# KiCad board DIP8breakout+potToUSB.kicad_pcb
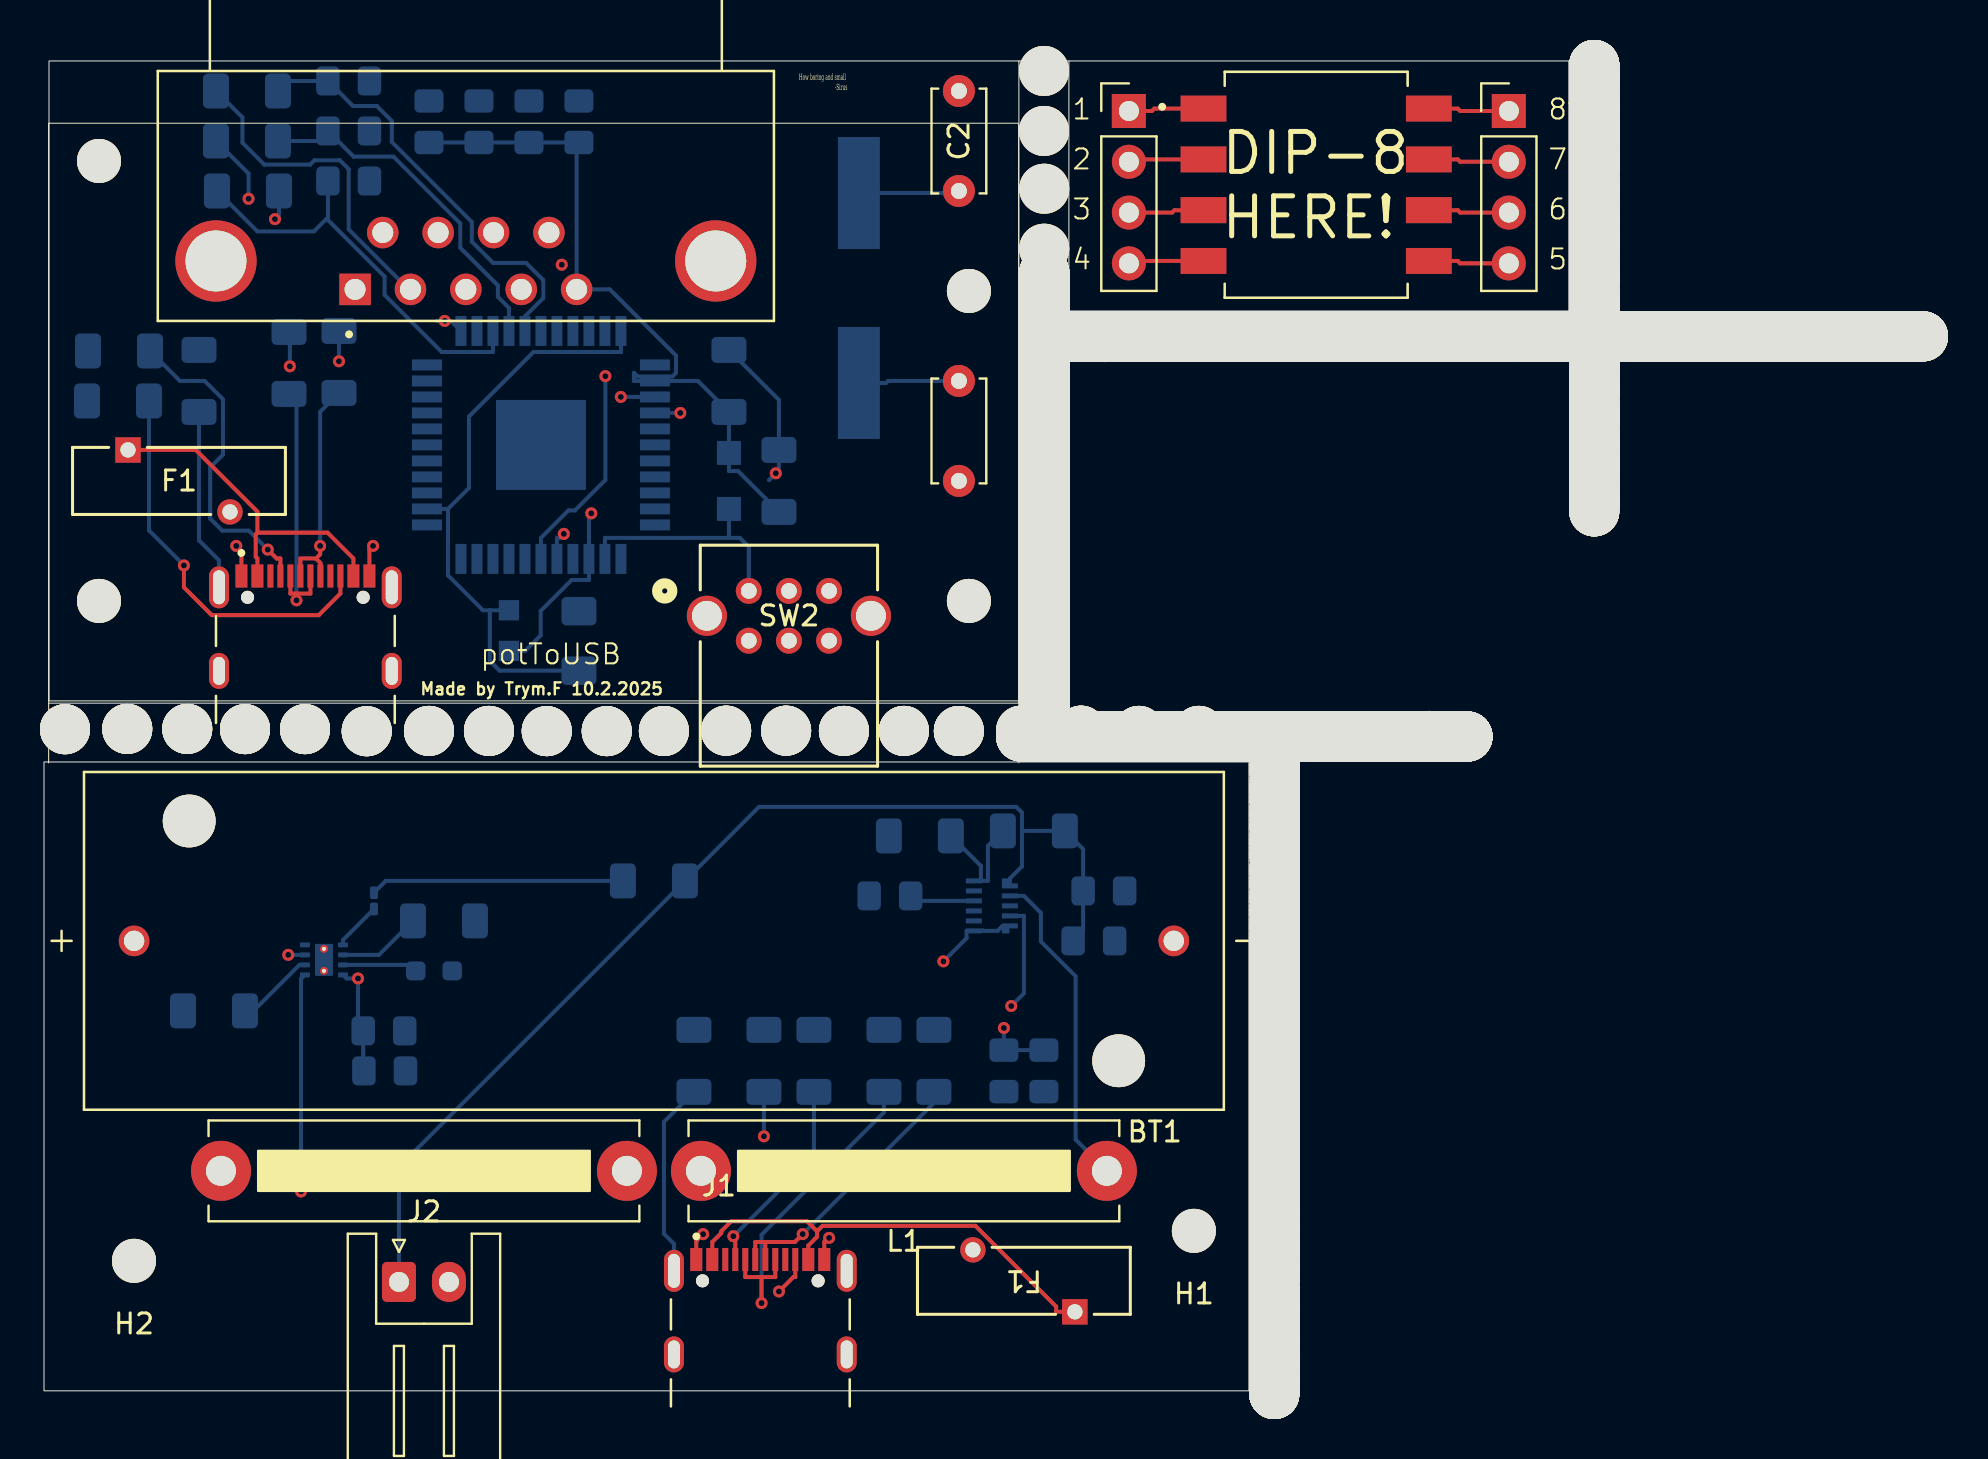
[diagram p0: board, top side]
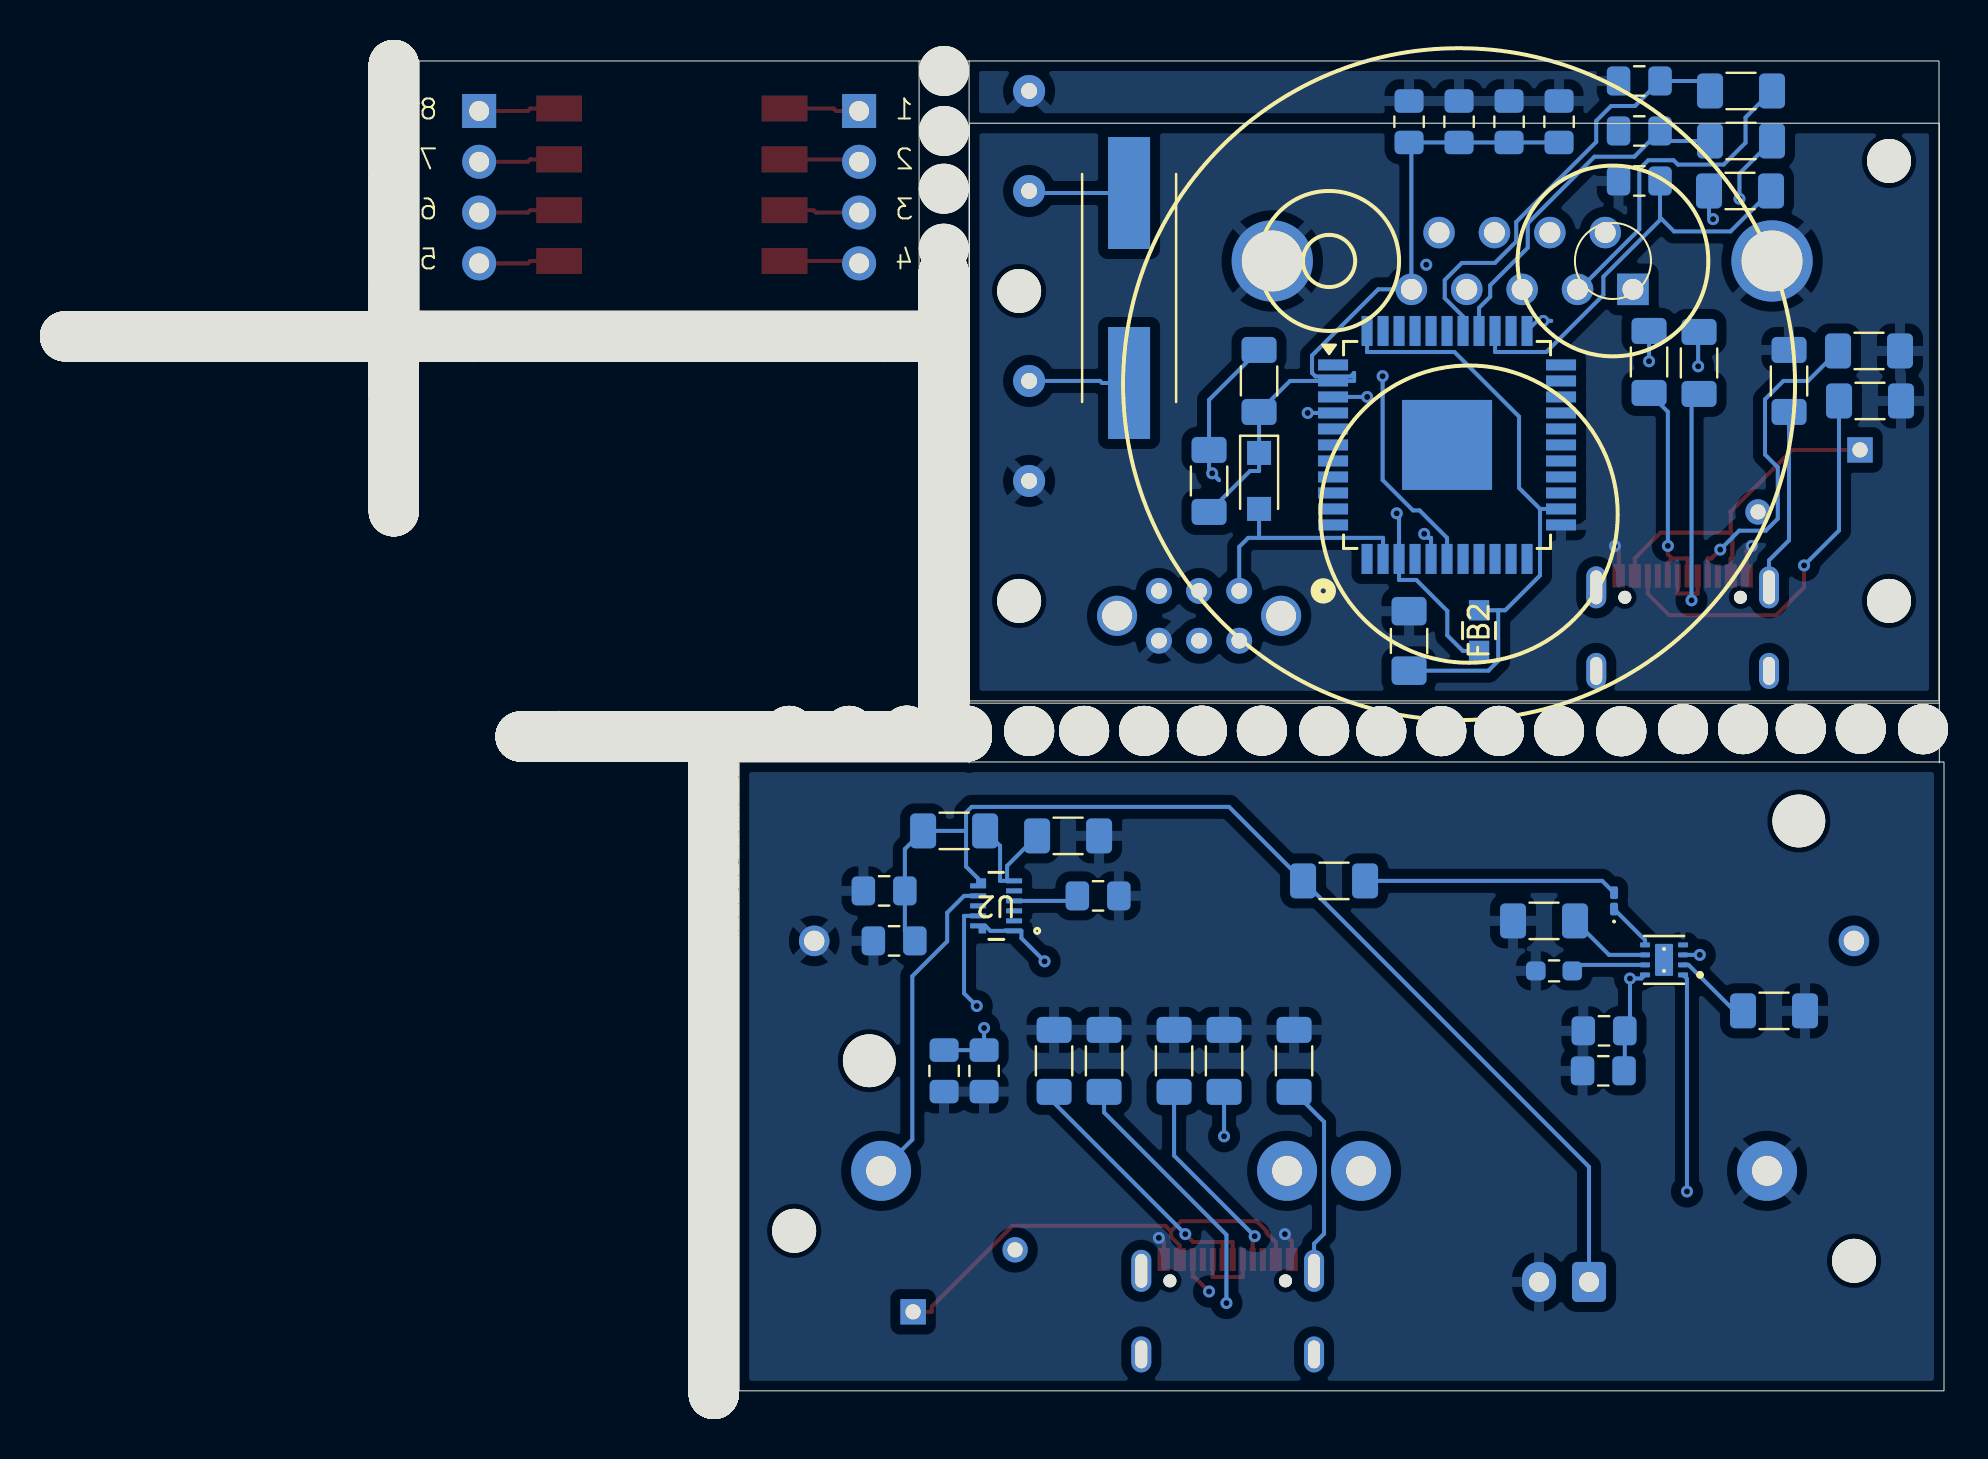
[diagram p1: board, bottom side, seen from below]

Outline 78.75 x 66.5 mm; copper layers: Top, In1.Cu, In2.Cu, Bottom. Coordinates in mm from the lower left corner of the outline.
Outline path: rectangle 0,31.44 60.25,0 ; rectangle 0.23,63.39 48.73,34.39 ; rectangle 0.25,66.5 48.75,34.5 ; rectangle 51.25,66.5 76.25,54 ; 0.23,34.39 0.23,31.4 ; 48.75,54 51.25,54 ; 48.75,34.4 48.75,31.4 ; 51.25,66.5 48.75,66.5 ; 53.03,51.46 53.03,53.96 ; 60.28,30.02 62.78,30.02 ; 62.79,1.75 60.29,1.75 ; 69.27,33.99 69.27,31.49 ; 73.55,51.46 73.55,53.96 ; 76.25,64.39 78.75,64.39
Stack: Top 0.035mm / dielectric 0.1mm FR4 er 4.5 / In1.Cu 0.035mm / dielectric 1.24mm FR4 er 4.5 / In2.Cu 0.035mm / dielectric 0.1mm FR4 er 4.5 / Bottom 0.035mm

## Placement (name value [footprint] x y rotation side)
BT1  2460  [BAT_2460]  30.5 22.5 180 top
C1  18pF  [C_Disc_D5.0mm_W2.5mm_P5.00mm]  45.75 50.5 270 top
C1#2  100nF  [C_0805_2012Metric_Pad1.18x1.45mm_HandSolder]  48 16 270 bottom
C2  18pF  [C_Disc_D5.0mm_W2.5mm_P5.00mm]  45.75 65 270 top
C2#2  100nF  [C_0805_2012Metric_Pad1.18x1.45mm_HandSolder]  50 16 270 bottom
C3  100nF  [C_0805_2012Metric_Pad1.18x1.45mm_HandSolder]  26.75 63.46 90 bottom
C3#2  1uF  [C_0805_2012Metric_Pad1.18x1.45mm_HandSolder]  17 18 180 bottom
C4  100nF  [C_0805_2012Metric_Pad1.18x1.45mm_HandSolder]  24.25 63.46 90 bottom
C4#2  22uF  [C_0805_2012Metric_Pad1.18x1.45mm_HandSolder]  53 25 0 bottom
C5  22uF  [C_0805_2012Metric_Pad1.18x1.45mm_HandSolder]  52.5 22.5 0 bottom
C5#2  100nF  [C_0805_2012Metric_Pad1.18x1.45mm_HandSolder]  21.75 63.46 90 bottom
C6  100nF  [C_0805_2012Metric_Pad1.18x1.45mm_HandSolder]  19.25 63.46 90 bottom
C6#2  22uF  [C_0805_2012Metric_Pad1.18x1.45mm_HandSolder]  17.04 16 0 bottom
C7  1uF  [C_0805_2012Metric_Pad1.18x1.45mm_HandSolder]  42.3 24.75 180 bottom
C8  1uF  [L_1206_3216Metric_Pad1.42x1.75mm_HandSolder]  26.75 37.5 90 bottom
C9  100NF  [C_0805_2012Metric_Pad1.18x1.45mm_HandSolder]  15.24 60.5 0 bottom
C10  100NF  [C_0805_2012Metric_Pad1.18x1.45mm_HandSolder]  15.24 63 0 bottom
C11  100NF  [C_0805_2012Metric_Pad1.18x1.45mm_HandSolder]  15.24 65.5 0 bottom
D1  LED  [LED_0201_0603Metric_Pad0.64x0.40mm_HandSolder]  16.5 24.5 90 bottom
D1#2  1N4148  [Nexperia_CFP3_SOD-123W]  34.25 45.5 270 bottom
F1  MF-R075  [FUS_MF-R075_BRN]  4.2 47.05 0 top
F1#2  MF-R075  [FUS_MF-R075_BRN]  51.55 3.95 180 top
FB2  30R 3A  [IND_BOURNS_MH2029]  23.25 38.02 90 bottom
H1  MountingHole  [MountingHole_2.2mm_M2]  46.25 55 0 top
H1#2  MountingHole  [MountingHole_2.2mm_M2]  57.5 8 180 top
H2  MountingHole  [MountingHole_2.2mm_M2]  46.25 39.5 0 top
H2#2  MountingHole  [MountingHole_2.2mm_M2]  4.5 6.5 180 top
H3  MountingHole  [MountingHole_2.2mm_M2]  2.75 61.5 0 top
H4  MountingHole  [MountingHole_2.2mm_M2]  2.75 39.5 0 top
H10  MountingHole  [MountingHole_2.5mm]  50 54 0 top
H10#2  MountingHole  [MountingHole_2.5mm]  53.03 52.71 90 top
H10#3  MountingHole  [MountingHole_2.5mm]  73.55 52.71 90 top
H10#4  MountingHole  [MountingHole_2.5mm]  61.54 1.75 180 top
H10#5  MountingHole  [MountingHole_2.5mm]  50 63 0 top
H10#6  MountingHole  [MountingHole_2.5mm]  50.02 57.11 0 top
H10#7  MountingHole  [MountingHole_2.5mm]  61.53 30.02 0 top
H10#8  MountingHole  [MountingHole_2.5mm]  69.27 32.74 270 top
H10#9  MountingHole  [MountingHole_2.5mm]  77.5 64.39 0 top
H10#10  MountingHole  [MountingHole_2.5mm]  50.02 60.11 0 top
H10#11  MountingHole  [MountingHole_2.5mm]  50 66 0 top
H10#12  MountingHole  [MountingHole_2.5mm]  91.5 52.73 270 bottom
H10#13  MountingHole  [MountingHole_2.5mm]  62.98 52.73 270 bottom
H10#14  MountingHole  [MountingHole_2.5mm]  61.55 25.03 180 bottom
H10#15  MountingHole  [MountingHole_2.5mm]  77.52 61.28 180 bottom
H10#16  MountingHole  [MountingHole_2.5mm]  69.58 32.72 90 bottom
H10#17  MountingHole  [MountingHole_2.5mm]  74.6 52.73 270 bottom
H10#18  MountingHole  [MountingHole_2.5mm]  61.55 24.69 180 bottom
H10#19  MountingHole  [MountingHole_2.5mm]  50.02 55.51 180 bottom
H10#20  MountingHole  [MountingHole_2.5mm]  61.55 13.23 180 bottom
H10#21  MountingHole  [MountingHole_2.5mm]  50.02 34.19 180 bottom
H10#22  MountingHole  [MountingHole_2.5mm]  77.52 65.44 180 bottom
H10#23  MountingHole  [MountingHole_2.5mm]  77.52 46.94 180 bottom
H10#24  MountingHole  [MountingHole_2.5mm]  50.02 37.41 180 bottom
H10#25  MountingHole  [MountingHole_2.5mm]  61.52 15.66 0 bottom
H10#26  MountingHole  [MountingHole_2.5mm]  61.55 26.71 180 bottom
H10#27  MountingHole  [MountingHole_2.5mm]  56.14 52.73 270 bottom
H10#28  MountingHole  [MountingHole_2.5mm]  77.52 53.44 180 bottom
H10#29  MountingHole  [MountingHole_2.5mm]  61.55 31.33 180 bottom
H10#30  MountingHole  [MountingHole_2.5mm]  65.54 52.73 270 bottom
H10#31  MountingHole  [MountingHole_2.5mm]  84.96 52.73 270 bottom
H10#32  MountingHole  [MountingHole_2.5mm]  61.55 30.13 180 bottom
H10#33  MountingHole  [MountingHole_2.5mm]  61.55 11.21 180 bottom
H10#34  MountingHole  [MountingHole_2.5mm]  61.55 16.31 180 bottom
H10#35  MountingHole  [MountingHole_2.5mm]  61.55 24.49 180 bottom
H10#36  MountingHole  [MountingHole_2.5mm]  77.52 56.5 180 bottom
H10#37  MountingHole  [MountingHole_2.5mm]  49.06 32.72 90 bottom
H10#38  MountingHole  [MountingHole_2.5mm]  61.52 20.36 0 bottom
H10#39  MountingHole  [MountingHole_2.5mm]  61.55 23.13 180 bottom
H10#40  MountingHole  [MountingHole_2.5mm]  62.78 32.72 90 bottom
H10#41  MountingHole  [MountingHole_2.5mm]  77.52 52.58 180 bottom
H10#42  MountingHole  [MountingHole_2.5mm]  50.02 34.25 180 bottom
H10#43  MountingHole  [MountingHole_2.5mm]  77.52 55.04 180 bottom
H10#44  MountingHole  [MountingHole_2.5mm]  77.52 53.64 180 bottom
H10#45  MountingHole  [MountingHole_2.5mm]  84.7 52.73 270 bottom
H10#46  MountingHole  [MountingHole_2.5mm]  50.02 41.99 180 bottom
H10#47  MountingHole  [MountingHole_2.5mm]  50.02 41.49 180 bottom
H10#48  MountingHole  [MountingHole_2.5mm]  61.55 30.87 180 bottom
H10#49  MountingHole  [MountingHole_2.5mm]  61.52 11.3 0 bottom
H10#50  MountingHole  [MountingHole_2.5mm]  56.96 52.73 270 bottom
H10#51  MountingHole  [MountingHole_2.5mm]  61.38 32.72 90 bottom
H10#52  MountingHole  [MountingHole_2.5mm]  77.52 60 180 bottom
H10#53  MountingHole  [MountingHole_2.5mm]  50.02 35.39 180 bottom
H10#54  MountingHole  [MountingHole_2.5mm]  77.52 47.8 180 bottom
H10#55  MountingHole  [MountingHole_2.5mm]  77.52 60.26 180 bottom
H10#56  MountingHole  [MountingHole_2.5mm]  73.04 52.73 270 bottom
H10#57  MountingHole  [MountingHole_2.5mm]  61.52 14.92 0 bottom
H10#58  MountingHole  [MountingHole_2.5mm]  90.14 52.73 270 bottom
H10#59  MountingHole  [MountingHole_2.5mm]  50.02 44.25 180 bottom
H10#60  MountingHole  [MountingHole_2.5mm]  70.02 52.73 270 bottom
H10#61  MountingHole  [MountingHole_2.5mm]  61.55 27.57 180 bottom
H10#62  MountingHole  [MountingHole_2.5mm]  61.52 10.5 0 bottom
H10#63  MountingHole  [MountingHole_2.5mm]  86.32 52.73 270 bottom
H10#64  MountingHole  [MountingHole_2.5mm]  77.52 48.34 180 bottom
H10#65  MountingHole  [MountingHole_2.5mm]  50.02 44.45 180 bottom
H10#66  MountingHole  [MountingHole_2.5mm]  77.52 61.28 180 bottom
H10#67  MountingHole  [MountingHole_2.5mm]  65.8 52.73 270 bottom
H10#68  MountingHole  [MountingHole_2.5mm]  57.42 52.73 270 bottom
H10#69  MountingHole  [MountingHole_2.5mm]  61.55 22.87 180 bottom
H10#70  MountingHole  [MountingHole_2.5mm]  50.02 49.21 180 bottom
H10#71  MountingHole  [MountingHole_2.5mm]  84.7 52.73 270 bottom
H10#72  MountingHole  [MountingHole_2.5mm]  77.52 53.44 180 bottom
H10#73  MountingHole  [MountingHole_2.5mm]  50.02 40.09 180 bottom
H10#74  MountingHole  [MountingHole_2.5mm]  61.52 18.34 0 bottom
H10#75  MountingHole  [MountingHole_2.5mm]  77.52 62.48 180 bottom
H10#76  MountingHole  [MountingHole_2.5mm]  87.66 52.73 270 bottom
H10#77  MountingHole  [MountingHole_2.5mm]  61.52 11.5 0 bottom
H10#78  MountingHole  [MountingHole_2.5mm]  61.55 12.07 180 bottom
H10#79  MountingHole  [MountingHole_2.5mm]  61.52 17.8 0 bottom
H10#80  MountingHole  [MountingHole_2.5mm]  61.52 5.48 0 bottom
H10#81  MountingHole  [MountingHole_2.5mm]  50.02 54.85 180 bottom
H10#82  MountingHole  [MountingHole_2.5mm]  61.55 19.27 180 bottom
H10#83  MountingHole  [MountingHole_2.5mm]  61.55 17.91 180 bottom
H10#84  MountingHole  [MountingHole_2.5mm]  77.52 60.26 180 bottom
H10#85  MountingHole  [MountingHole_2.5mm]  50.02 37.95 180 bottom
H10#86  MountingHole  [MountingHole_2.5mm]  72.78 52.73 270 bottom
H10#87  MountingHole  [MountingHole_2.5mm]  77.52 44.18 180 bottom
H10#88  MountingHole  [MountingHole_2.5mm]  58.86 32.72 90 bottom
H10#89  MountingHole  [MountingHole_2.5mm]  77.52 62.28 180 bottom
H10#90  MountingHole  [MountingHole_2.5mm]  76.2 52.73 270 bottom
H10#91  MountingHole  [MountingHole_2.5mm]  61.52 5.88 0 bottom
H10#92  MountingHole  [MountingHole_2.5mm]  77.52 58.66 180 bottom
H10#93  MountingHole  [MountingHole_2.5mm]  77.52 55.64 180 bottom
H10#94  MountingHole  [MountingHole_2.5mm]  77.52 47.14 180 bottom
H10#95  MountingHole  [MountingHole_2.5mm]  77.52 64.7 180 bottom
H10#96  MountingHole  [MountingHole_2.5mm]  77.52 54.44 180 bottom
H10#97  MountingHole  [MountingHole_2.5mm]  67.4 52.73 270 bottom
H10#98  MountingHole  [MountingHole_2.5mm]  64.84 52.73 270 bottom
H10#99  MountingHole  [MountingHole_2.5mm]  61.52 0.04 0 bottom
H10#100  MountingHole  [MountingHole_2.5mm]  77.52 54.18 180 bottom
H10#101  MountingHole  [MountingHole_2.5mm]  61.55 24.03 180 bottom
H10#102  MountingHole  [MountingHole_2.5mm]  58.56 52.73 270 bottom
H10#103  MountingHole  [MountingHole_2.5mm]  51.86 33.01 90 bottom
H10#104  MountingHole  [MountingHole_2.5mm]  77.52 51.22 180 bottom
H10#105  MountingHole  [MountingHole_2.5mm]  77.52 58.86 180 bottom
H10#106  MountingHole  [MountingHole_2.5mm]  50.02 52.75 180 bottom
H10#107  MountingHole  [MountingHole_2.5mm]  69.08 52.73 270 bottom
H10#108  MountingHole  [MountingHole_2.5mm]  54.28 52.73 270 bottom
H10#109  MountingHole  [MountingHole_2.5mm]  61.58 52.73 270 bottom
H10#110  MountingHole  [MountingHole_2.5mm]  61.55 11.87 180 bottom
H10#111  MountingHole  [MountingHole_2.5mm]  61.52 18.54 0 bottom
H10#112  MountingHole  [MountingHole_2.5mm]  77.52 47.4 180 bottom
H10#113  MountingHole  [MountingHole_2.5mm]  61.55 12.07 180 bottom
H10#114  MountingHole  [MountingHole_2.5mm]  77.52 65.7 180 bottom
H10#115  MountingHole  [MountingHole_2.5mm]  61.52 0.24 0 bottom
H10#116  MountingHole  [MountingHole_2.5mm]  50.02 42.19 180 bottom
H10#117  MountingHole  [MountingHole_2.5mm]  61.52 5.26 0 bottom
H10#118  MountingHole  [MountingHole_2.5mm]  77.52 65.44 180 bottom
H10#119  MountingHole  [MountingHole_2.5mm]  67.36 32.72 90 bottom
H10#120  MountingHole  [MountingHole_2.5mm]  50.02 40.49 180 bottom
H10#121  MountingHole  [MountingHole_2.5mm]  88.54 52.73 270 bottom
H10#122  MountingHole  [MountingHole_2.5mm]  64.64 52.73 270 bottom
H10#123  MountingHole  [MountingHole_2.5mm]  91.7 52.73 270 bottom
H10#124  MountingHole  [MountingHole_2.5mm]  65.96 32.72 90 bottom
H10#125  MountingHole  [MountingHole_2.5mm]  75.46 52.73 270 bottom
H10#126  MountingHole  [MountingHole_2.5mm]  61.55 21.73 180 bottom
H10#127  MountingHole  [MountingHole_2.5mm]  61.55 24.03 180 bottom
H10#128  MountingHole  [MountingHole_2.5mm]  77.52 56.84 180 bottom
H10#129  MountingHole  [MountingHole_2.5mm]  61.55 24.89 180 bottom
H10#130  MountingHole  [MountingHole_2.5mm]  68.92 32.72 90 bottom
H10#131  MountingHole  [MountingHole_2.5mm]  61.55 16.11 180 bottom
H10#132  MountingHole  [MountingHole_2.5mm]  61.52 21.5 0 bottom
H10#133  MountingHole  [MountingHole_2.5mm]  61.55 31.07 180 bottom
H10#134  MountingHole  [MountingHole_2.5mm]  50.02 48.21 180 bottom
H10#135  MountingHole  [MountingHole_2.5mm]  62.78 52.73 270 bottom
H10#136  MountingHole  [MountingHole_2.5mm]  77.52 49.4 180 bottom
H10#137  MountingHole  [MountingHole_2.5mm]  86.72 52.73 270 bottom
H10#138  MountingHole  [MountingHole_2.5mm]  61.52 21.96 0 bottom
H10#139  MountingHole  [MountingHole_2.5mm]  93.1 52.73 270 bottom
H10#140  MountingHole  [MountingHole_2.5mm]  91.9 52.73 270 bottom
H10#141  MountingHole  [MountingHole_2.5mm]  10.05 33.09 90 bottom
H10#142  MountingHole  [MountingHole_2.5mm]  50.02 45.51 180 bottom
H10#143  MountingHole  [MountingHole_2.5mm]  61.52 7.08 0 bottom
H10#144  MountingHole  [MountingHole_2.5mm]  87.26 52.73 270 bottom
H10#145  MountingHole  [MountingHole_2.5mm]  68.42 32.72 90 bottom
H10#146  MountingHole  [MountingHole_2.5mm]  61.55 25.23 180 bottom
H10#147  MountingHole  [MountingHole_2.5mm]  55.56 32.72 90 bottom
H10#148  MountingHole  [MountingHole_2.5mm]  50.02 41.69 180 bottom
H10#149  MountingHole  [MountingHole_2.5mm]  50.02 34.45 180 bottom
H10#150  MountingHole  [MountingHole_2.5mm]  71.84 52.73 270 bottom
H10#151  MountingHole  [MountingHole_2.5mm]  71.64 52.73 270 bottom
H10#152  MountingHole  [MountingHole_2.5mm]  61.52 5.88 0 bottom
H10#153  MountingHole  [MountingHole_2.5mm]  50.02 38.61 180 bottom
H10#154  MountingHole  [MountingHole_2.5mm]  77.52 53.04 180 bottom
H10#155  MountingHole  [MountingHole_2.5mm]  61.52 16.52 0 bottom
H10#156  MountingHole  [MountingHole_2.5mm]  79.28 52.73 270 bottom
H10#157  MountingHole  [MountingHole_2.5mm]  77.52 61.28 180 bottom
H10#158  MountingHole  [MountingHole_2.5mm]  61.55 21.53 180 bottom
H10#159  MountingHole  [MountingHole_2.5mm]  61.55 27.37 180 bottom
H10#160  MountingHole  [MountingHole_2.5mm]  61.55 31.73 180 bottom
H10#161  MountingHole  [MountingHole_2.5mm]  68.68 52.73 270 bottom
H10#162  MountingHole  [MountingHole_2.5mm]  50.02 41.89 180 bottom
H10#163  MountingHole  [MountingHole_2.5mm]  83.1 52.73 270 bottom
H10#164  MountingHole  [MountingHole_2.5mm]  50.02 48.47 180 bottom
H10#165  MountingHole  [MountingHole_2.5mm]  59.72 32.72 90 bottom
H10#166  MountingHole  [MountingHole_2.5mm]  77.52 63.84 180 bottom
H10#167  MountingHole  [MountingHole_2.5mm]  77.48 52.73 270 bottom
H10#168  MountingHole  [MountingHole_2.5mm]  59.52 32.72 90 bottom
H10#169  MountingHole  [MountingHole_2.5mm]  73.24 52.73 270 bottom
H10#170  MountingHole  [MountingHole_2.5mm]  54.9 32.72 90 bottom
H10#171  MountingHole  [MountingHole_2.5mm]  72.3 52.73 270 bottom
H10#172  MountingHole  [MountingHole_2.5mm]  77.52 61.94 180 bottom
H10#173  MountingHole  [MountingHole_2.5mm]  4.16 33.1 90 bottom
H10#174  MountingHole  [MountingHole_2.5mm]  51.52 52.73 270 bottom
H10#175  MountingHole  [MountingHole_2.5mm]  56.34 52.73 270 bottom
H10#176  MountingHole  [MountingHole_2.5mm]  50.02 54.65 180 bottom
H10#177  MountingHole  [MountingHole_2.5mm]  61.52 20.36 0 bottom
H10#178  MountingHole  [MountingHole_2.5mm]  53.62 32.72 90 bottom
H10#179  MountingHole  [MountingHole_2.5mm]  77.52 58 180 bottom
H10#180  MountingHole  [MountingHole_2.5mm]  83.5 52.73 270 bottom
H10#181  MountingHole  [MountingHole_2.5mm]  60.52 32.72 90 bottom
H10#182  MountingHole  [MountingHole_2.5mm]  77.28 52.73 270 bottom
H10#183  MountingHole  [MountingHole_2.5mm]  61.55 29.47 180 bottom
H10#184  MountingHole  [MountingHole_2.5mm]  61.55 19.81 180 bottom
H10#185  MountingHole  [MountingHole_2.5mm]  87.06 52.73 270 bottom
H10#186  MountingHole  [MountingHole_2.5mm]  77.52 65.9 180 bottom
H10#187  MountingHole  [MountingHole_2.5mm]  77.52 59.26 180 bottom
H10#188  MountingHole  [MountingHole_2.5mm]  61.18 32.72 90 bottom
H10#189  MountingHole  [MountingHole_2.5mm]  50.02 34.99 180 bottom
H10#190  MountingHole  [MountingHole_2.5mm]  77.52 65.24 180 bottom
H10#191  MountingHole  [MountingHole_2.5mm]  61.72 32.72 90 bottom
H10#192  MountingHole  [MountingHole_2.5mm]  74.1 52.73 270 bottom
H10#193  MountingHole  [MountingHole_2.5mm]  61.55 24.69 180 bottom
H10#194  MountingHole  [MountingHole_2.5mm]  93.56 52.73 270 bottom
H10#195  MountingHole  [MountingHole_2.5mm]  61.52 13.56 0 bottom
H10#196  MountingHole  [MountingHole_2.5mm]  61.52 18.14 0 bottom
H10#197  MountingHole  [MountingHole_2.5mm]  61.55 26.51 180 bottom
H10#198  MountingHole  [MountingHole_2.5mm]  59.02 52.73 270 bottom
H10#199  MountingHole  [MountingHole_2.5mm]  50.02 43.79 180 bottom
H10#200  MountingHole  [MountingHole_2.5mm]  61.52 15.92 0 bottom
H10#201  MountingHole  [MountingHole_2.5mm]  77.52 50.02 180 bottom
H10#202  MountingHole  [MountingHole_2.5mm]  50.02 45.91 180 bottom
H10#203  MountingHole  [MountingHole_2.5mm]  61.52 2.3 0 bottom
H10#204  MountingHole  [MountingHole_2.5mm]  61.55 10.01 180 bottom
H10#205  MountingHole  [MountingHole_2.5mm]  61.52 11.1 0 bottom
H10#206  MountingHole  [MountingHole_2.5mm]  61.52 16.32 0 bottom
H10#207  MountingHole  [MountingHole_2.5mm]  61.52 8.44 0 bottom
H10#208  MountingHole  [MountingHole_2.5mm]  60.58 52.73 270 bottom
H10#209  MountingHole  [MountingHole_2.5mm]  50.02 39.43 180 bottom
H10#210  MountingHole  [MountingHole_2.5mm]  57.62 52.73 270 bottom
H10#211  MountingHole  [MountingHole_2.5mm]  53.58 52.73 270 bottom
H10#212  MountingHole  [MountingHole_2.5mm]  61.52 20.56 0 bottom
H10#213  MountingHole  [MountingHole_2.5mm]  78.34 52.73 270 bottom
H10#214  MountingHole  [MountingHole_2.5mm]  50.02 34.85 180 bottom
H10#215  MountingHole  [MountingHole_2.5mm]  77.52 52.58 180 bottom
H10#216  MountingHole  [MountingHole_2.5mm]  61.52 2.1 0 bottom
H10#217  MountingHole  [MountingHole_2.5mm]  61.52 13.86 0 bottom
H10#218  MountingHole  [MountingHole_2.5mm]  61.52 1.44 0 bottom
H10#219  MountingHole  [MountingHole_2.5mm]  77.52 52.58 180 bottom
H10#220  MountingHole  [MountingHole_2.5mm]  65.76 32.72 90 bottom
H10#221  MountingHole  [MountingHole_2.5mm]  50.02 46.65 180 bottom
H10#222  MountingHole  [MountingHole_2.5mm]  61.55 28.11 180 bottom
H10#223  MountingHole  [MountingHole_2.5mm]  61.55 17.31 180 bottom
H10#224  MountingHole  [MountingHole_2.5mm]  13.05 33.09 90 bottom
H10#225  MountingHole  [MountingHole_2.5mm]  81.44 52.73 270 bottom
H10#226  MountingHole  [MountingHole_2.5mm]  61.55 18.21 180 bottom
H10#227  MountingHole  [MountingHole_2.5mm]  61.52 1.64 0 bottom
H10#228  MountingHole  [MountingHole_2.5mm]  50.02 47.81 180 bottom
H10#229  MountingHole  [MountingHole_2.5mm]  56.76 32.72 90 bottom
H10#230  MountingHole  [MountingHole_2.5mm]  54.94 52.73 270 bottom
H10#231  MountingHole  [MountingHole_2.5mm]  61.52 19.4 0 bottom
H10#232  MountingHole  [MountingHole_2.5mm]  61.52 3 0 bottom
H10#233  MountingHole  [MountingHole_2.5mm]  87.92 52.73 270 bottom
H10#234  MountingHole  [MountingHole_2.5mm]  88.12 52.73 270 bottom
H10#235  MountingHole  [MountingHole_2.5mm]  61.52 2.8 0 bottom
H10#236  MountingHole  [MountingHole_2.5mm]  61.55 13.23 180 bottom